# Altium PCB etna-main-pcb.PcbDoc
Units mm, origin at the board's own origin, x right, y up, seen from the top; angles counter-clockwise.
Board outline 76 x 36 mm, 4 copper layers (Top, Ground, Power, Bottom), stack 0.78 mm thick; 105 components, 65 nets, 368 pads, 413 vias.
Unrouted connection lines stored in the file: 58.
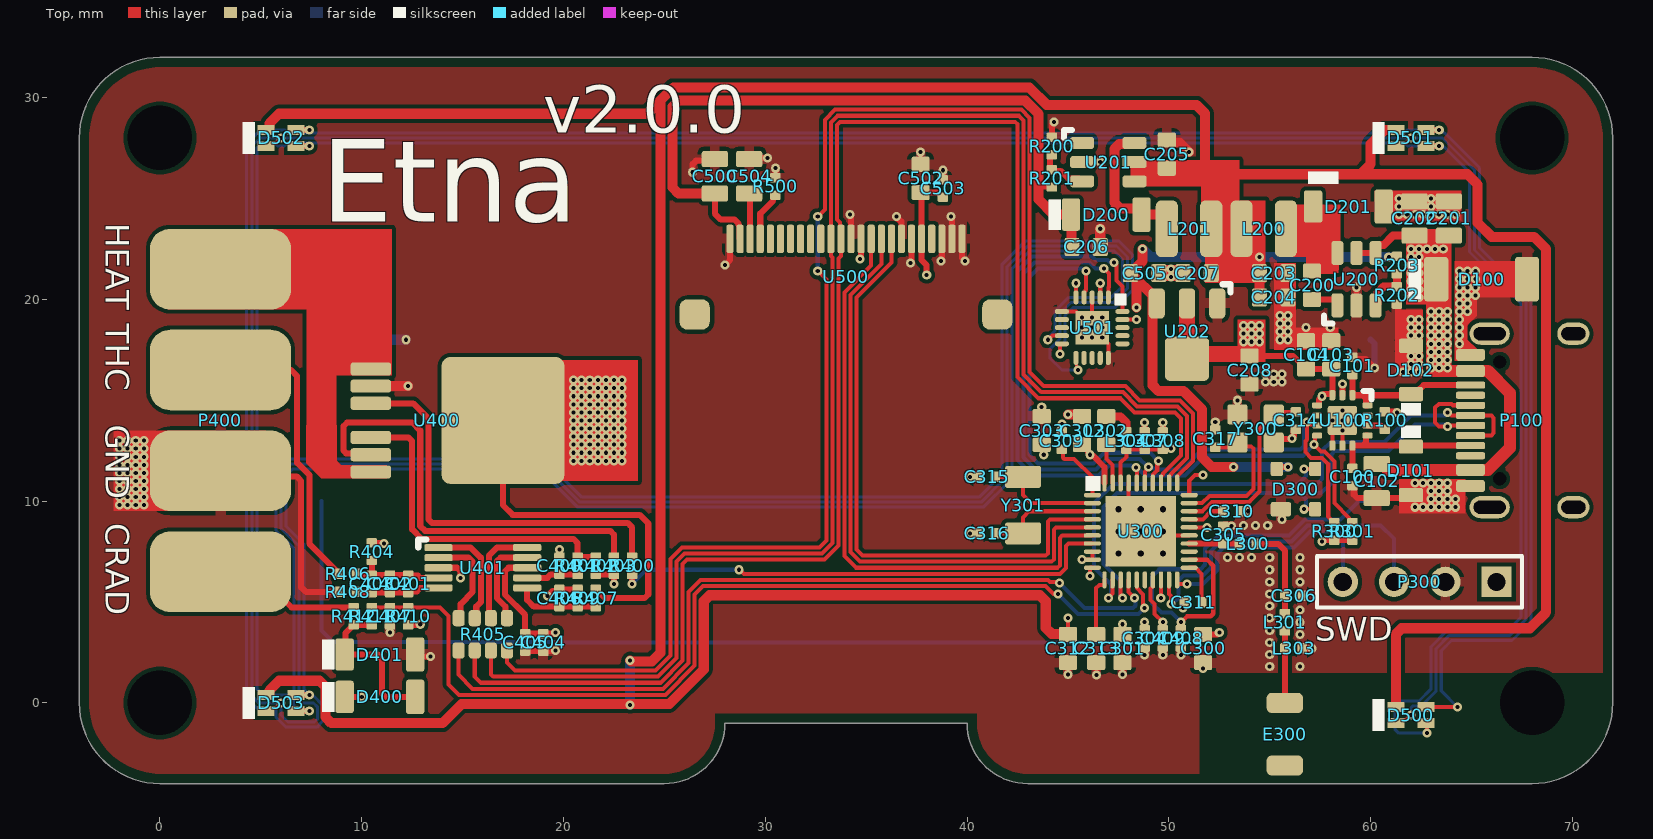
[diagram p0: Top view]
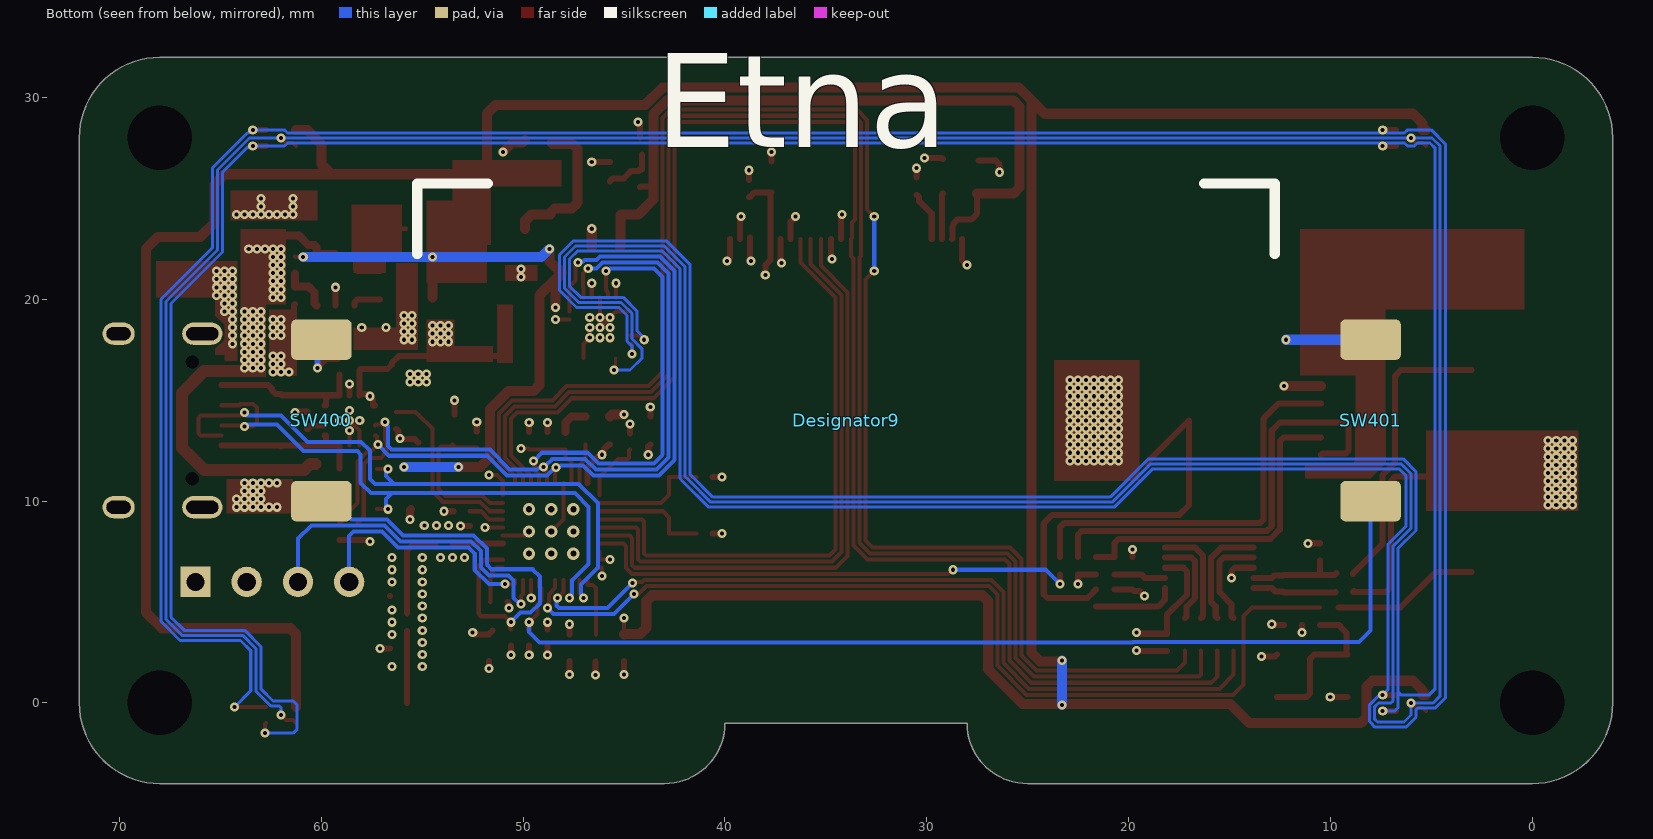
[diagram p1: Bottom view, seen from below]
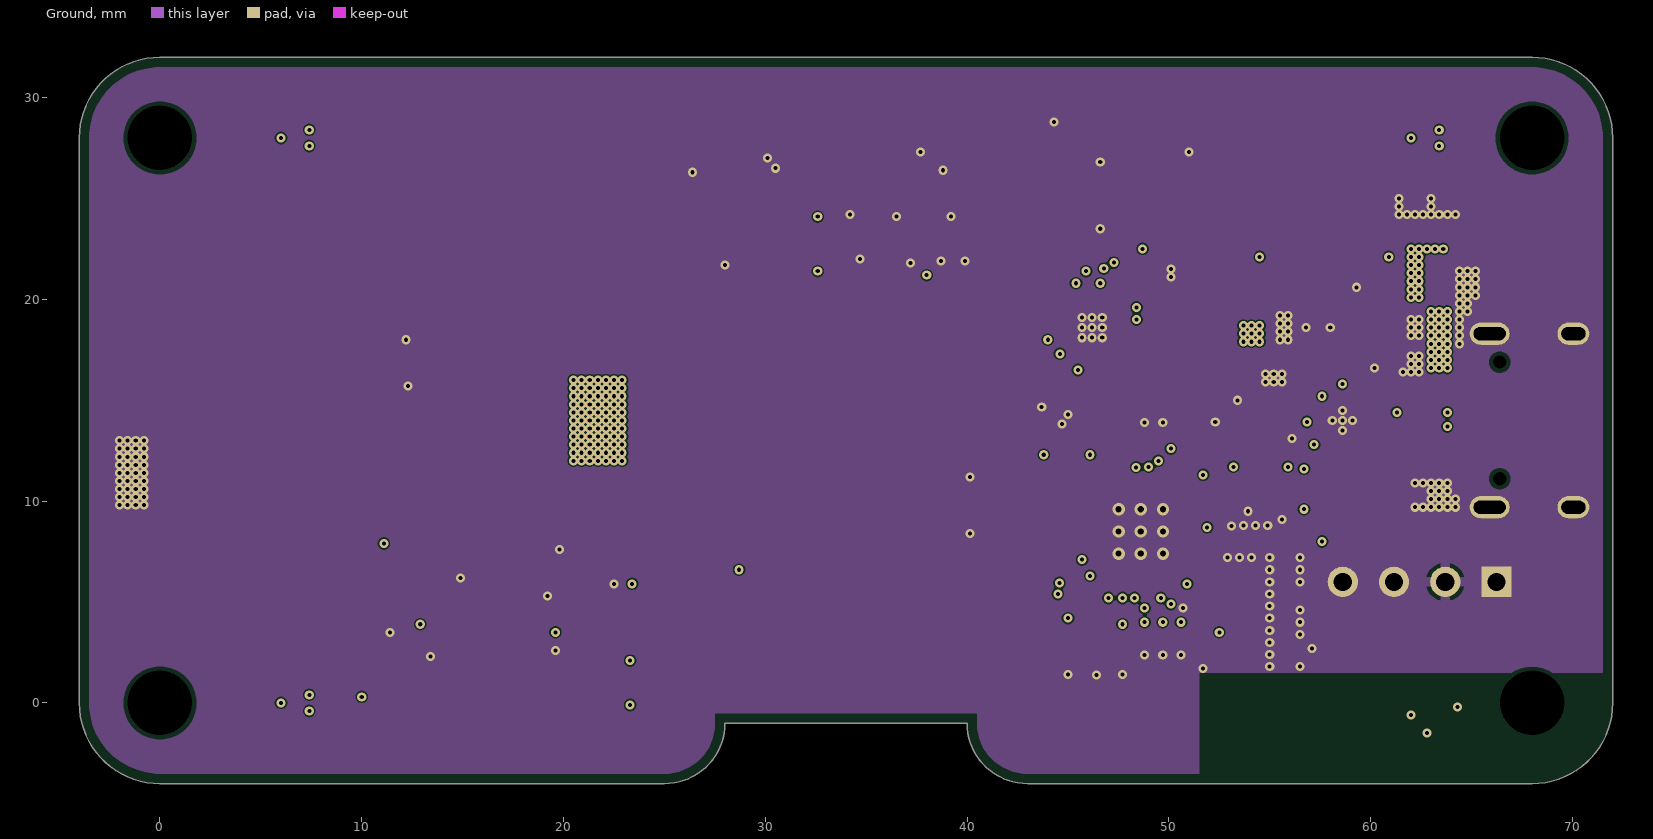
[diagram p2: Ground]
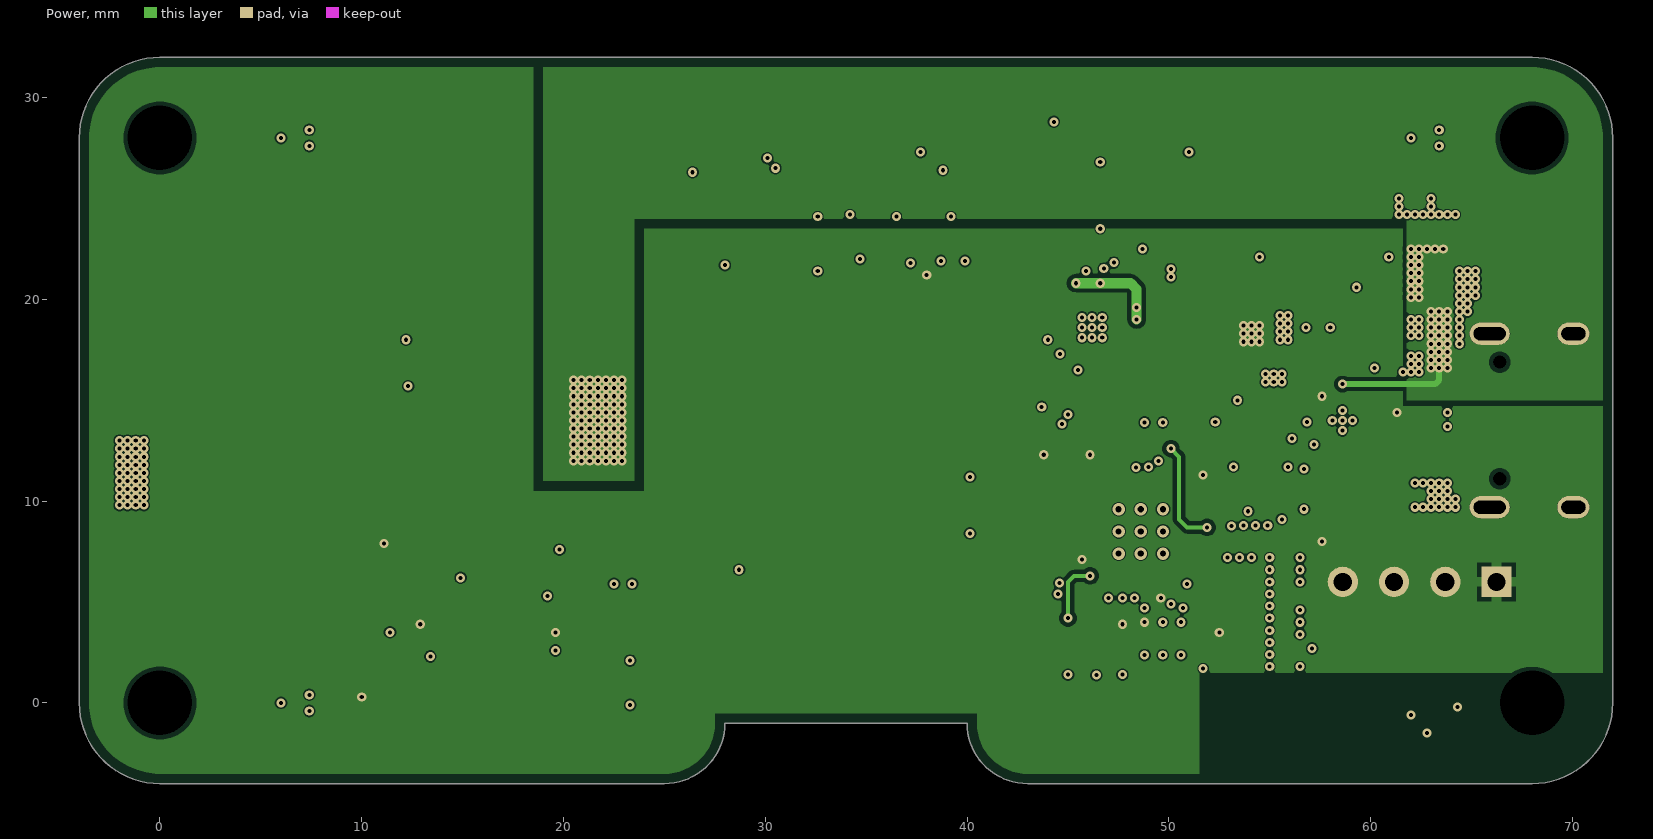
[diagram p3: Power]
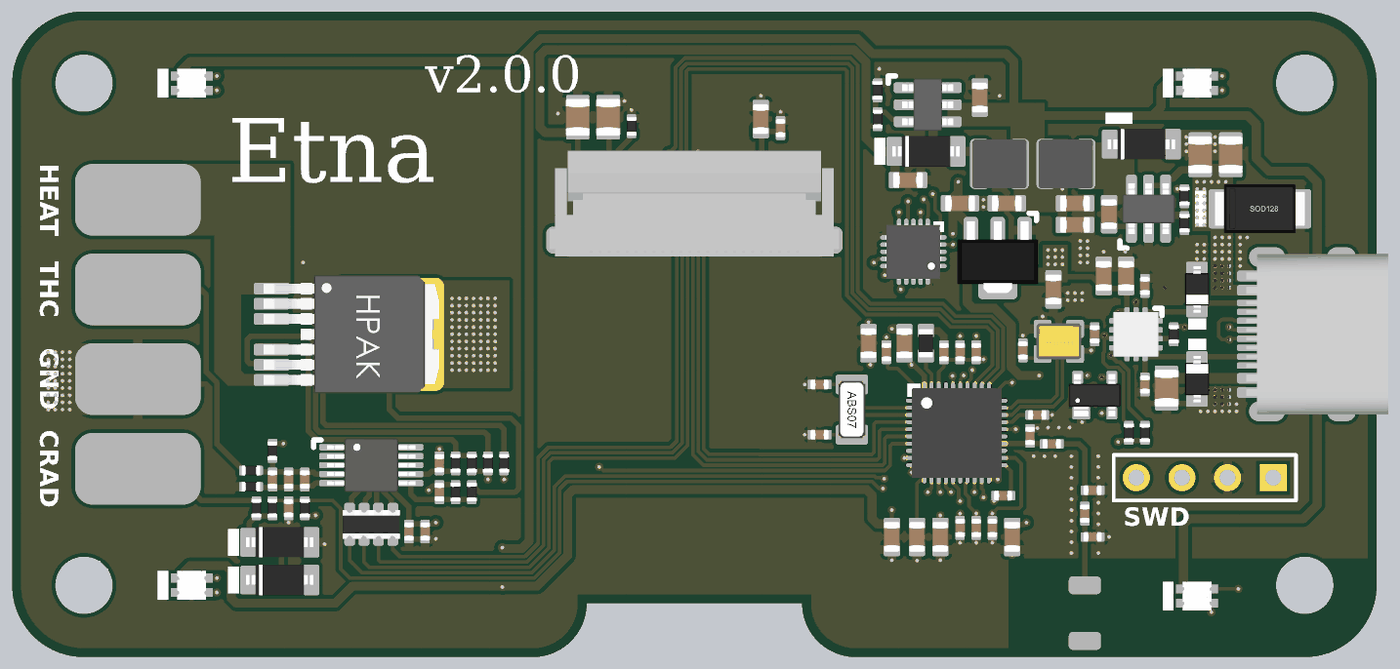
[diagram p4: 3D render of the assembled board from above, using the file's embedded part models]

## Layer stack, top to bottom
Top Solder: solder mask 0.01, Solder Resist, Dk 3.5
Top: signal copper 0.035
Dielectric 1: prepreg 0.07, PP-006, Dk 4.1
Ground: signal copper 0.035
Dielectric2: prepreg 0.5, FR-4, Dk 4.8
Power: signal copper 0.035
Dielectric 2: prepreg 0.07, PP-006, Dk 4.1
Bottom: signal copper 0.035
Bottom Solder: solder mask 0.01, Solder Resist, Dk 3.5

## Board outline
-4,0 ccw(c0,0) 0,-4 25,-4 ccw(c25,-1) 28,-1 40,-1 ccw(c43,-1) 43,-4 68,-4 ccw(c68,0) 72,0 72,28 ccw(c68,28) 68,32 0,32 ccw(c0,28) -4,28

## Design rules (kind name [scope] priority, off if disabled: settings)
Clearance Clearance_1 [InPolygon] p1: gap=0.2 ignorepadtopadclearanceinfootprint=FALSE except(0: Arc-Hole Track-Hole SMDPad-Hole THPad-Hole Via-Hole Fill-Hole Poly-Hole Region-Hole Text-Hole)
Clearance [All] p2: gap=0.1 ignorepadtopadclearanceinfootprint=FALSE
ComponentClearance [All] p1: gap=0 collisioncheckmode=3 verticalgap=0 showdistances=FALSE
DiffPairsRouting [All] p1: maxlimit=0.254 minlimit=0.2 mostfreqgap=0.254 toplayer_minwidth=0.2 toplayer_maxwidth=0.381 toplayer_prefwidth=0.381 midlayer1_minwidth=0.2 midlayer1_maxwidth=0.381 midlayer1_prefwidth=0.381 midlayer2_minwidth=0.2 midlayer2_maxwidth=0.381 midlayer2_prefwidth=0.381 bottomlayer_minwidth=0.2 bottomlayer_maxwidth=0.381 bottomlayer_prefwidth=0.381 maxuncoupledlength=12.7
HoleSize [All] p1: absolutevalues=TRUE maxlimit=10 minlimit=0.1 maxpercent=80.000 minpercent=20.000
HoleToHoleClearance [All] p1: gap=0.1 allowstackedmicrovias=TRUE
MinimumAnnularRing [All] p1: minimumring=0
MinimumSolderMaskSliver [All] p1: minsoldermaskwidth=0.05
PolygonConnect PolygonConnect_via [IsVia] p1: connectstyle=Direct reliefconductorwidth=0.254 reliefentries=4 polygonreliefangle="90 Angle" airgapwidth=0.254
PolygonConnect [All] p2: connectstyle=Relief reliefconductorwidth=0.5 reliefentries=4 polygonreliefangle="90 Angle" airgapwidth=0.2
RoutingVias [All] p1: holewidth=0.2 width=0.4 viastyle="Through Hole" minholewidth=0.2 minwidth=0.4 maxholewidth=2 maxwidth=5
SilkToSilkClearance [All] p1: silktosilkclearance=0
SilkToSolderMaskClearance SilkscreenOverComponentPads [IsPad] p1: minsilkscreentomaskgap=0 clearancetoexposedcopper=TRUE
SolderMaskExpansion [All] p1: expansion=0 istentingtop=FALSE
Width [All] p1: maxlimit=100 minlimit=0.15 preferedwidth=0.15
23 further rules are at their usual default settings.

## Classes and differential pairs
component class etna-main-usb: C100 C101 C102 C103 C104 D100 D101 D102 P100 R100 U100
component class etna-main-ui: C408 C409 C500 C502 C503 C504 C505 D500 D501 D502 D503 R500 SW400 SW401 U500 U501
component class etna-main-pmic: C200 C201 C202 C203 C204 C205 C206 C207 C208 D200 D201 L200 L201 R200 R201 R202 R203 U200 U201 U202
component class etna-main-mcu: C300 C301 C302 C303 C304 C305 C306 C307 C308 C309 C310 C311 C312 C313 C314 C315 C316 C317 D300 E300 L300 L301 L302 L303 L304 P300 R300 R301 U300 Y300 Y301
component class etna-main-driver: C400 C401 C402 C403 C404 C405 C406 C407 D400 D401 P400 R400 R401 R402 R403 R404 R405 R406 R407 R408 R409 R410 R411 R412 U400 U401
differential pair USB_DATA: +USB_DATA_P -USB_DATA_N

## Components (designator, comment, footprint, x,y, rotation, side; value= is the part's Value field where it differs from the comment)
C100 "" C0402L 59.1,11.2 r270 top value=200pF
C101 "" C0402L 59.1,16.7 r90 top value=200pF
C102 "100n" C0805L 60.3,11 r270 top value=10uF
C103 "100n" C0603L 58.05,17.25 r90 top value=10uF
C104 "100n" C0603L 56.8,17.25 r90 top value=1uF
C200 "100n" C0603L 57.1,20.7 r270 top value=100nF
C201 "100n" C0805L 63.875,24.009 r90 top value=2.2uF
C202 "100n" C0805L 62.175,24.009 r90 top value=2.2uF
C203 "100n" C0603L 55.2,21.3 r0 top value=10uF
C204 "100n" C0603L 55.2,20.1 r0 top value=10uF
C205 "100n" C0603L 49.9,27.2 r90 top value=2.2uF
C206 "100n" C0603L 45.9,22.6 r0 top value=2.2uF
C207 "100n" C0603L 51.4,21.3 r180 top value=10uF
C208 "100n" C0603L 54,16.5 r270 top value=10uF
C300 "" C0603L 51.7,2.7 r270 top value=4.7uF
C301 "" C0603L 47.7,2.7 r270 top value=4.7uF
C302 "" C0603L 45.7,13.5 r90 top value=4.7uF
C303 "" C0603L 43.7,13.5 r90 top value=1uF
C304 "" C0402L 48.8,3.2 r270 top value=100nF
C305 "" C0402L 52.7,8.33 r90 top value=1.0pF
C306 "" C0402L 56.18,5.3 r0 top value=1.5pF
C307 "" C0402L 48.8,13 r90 top value=1uF
C308 "" C0402L 49.7,13 r90 top value=47nF
C309 "" C0402L 44.7,13 r90 top value=100nF
C310 "" C0402L 53.1,9.5 r0 top value=100pF
C311 "" C0402L 51.2,5 r180 top value=820pF
C312 "" C0603L 45,2.7 r270 top value=4.7uF
C313 "" C0603L 46.4,2.7 r270 top value=4.7uF
C314 "" C0402L 56.3,14 r90 top value=18pF
C315 "" C0402L 40.975,11.2 r0 top value=18pF
C316 "" C0402L 40.975,8.4 r0 top value=18pF
C317 "" C0402L 52.3,13.1 r270 top value=18pF
C400 "" C0402L 19.8,6.8 r90 top value=100nF
C401 "" C0402L 12.3,5.9 r270 top value=100p
C402 "" C0402L 11.4,5.9 r270 top value=100nF
C403 "" C0402L 10.5,5.9 r270 top value=1uF
C404 "" C0402L 19,3 r270 top value=100nF
C405 "" C0402L 18.1,3 r270 top value=100nF
C406 "" C0402L 19.8,5.2 r90 top value=100nF
C407 "" C0402L 11.4,4.3 r270 top value=100nF
C408 "" C0402L 50.6,3.2 r270 top value=100nF
C409 "" C0402L 49.7,3.2 r270 top value=100nF
C500 "" C0805L 27.5,26.1 r90 top value=4.7uF
C502 "" C0603L 37.7,26 r90 top value=4.7uF
C503 "" C0402L 38.8,25.5 r90 top value=100nF
C504 "" C0805L 29.2,26.1 r90 top value=4.7uF
C505 "" C0603L 48.8,21.3 r0 top value=1uF
D100 "DIODE_ZEN" SOD-128 65.5,21 r180 top value=PTVS26VS1UR
D101 "DIODE_TVS" SOD-323 62,11.5 r90 top value=MM3Z5V1T1G
D102 "DIODE_TVS" SOD-323 62,16.5 r270 top value=MM3Z5V1T1G
D200 "DIODE" SOD-123 46.9,24.2 r180 top value=1N5819HW-7-F
D201 "DIODE" SOD-123 58.9,24.6 r180 top value=1N5819HW-7-F
D300 "PRTR5V0U2X" SOT-143B 56.3,10.6 r0 top
D400 "DIODE" SOD-123 10.9,0.3 r180 top value=1N5819HW-7-F
D401 "DIODE" SOD-123 10.9,2.4 r180 top value=1N5819HW-7-F
D500 "19-237/R6GHBHC-A01/2T" 19-237/R6GHBHC-A01/2T 62,-0.6 r180 top
D501 "19-237/R6GHBHC-A01/2T" 19-237/R6GHBHC-A01/2T 62,28 r180 top
D502 "19-237/R6GHBHC-A01/2T" 19-237/R6GHBHC-A01/2T 6,28 r180 top
D503 "19-237/R6GHBHC-A01/2T" 19-237/R6GHBHC-A01/2T 6,0 r180 top
Designator9 "Comment" ER-OLED015-2W 34,14 r180 bottom locked
E300 "ANTENNA" E0805L 55.75,-1.6 r270 top
L200 "INDUCTOR" IND_3015 54.7,23.5 r270 top value=6.8uH
L201 "INDUCTOR" IND_3015 51,23.5 r270 top value=10uH
L300 "INDUCTOR" L0402L 53.908,7.887 r0 top value=4.7nH
L301 "INDUCTOR" L0402L 55.75,4 r270 top value=5.1nH
L302 "INDUCTOR" L0603L 46.9,13.5 r270 top value=10uH
L303 "INDUCTOR" L0402L 56.18,2.7 r0 top value=DNP
L304 "INDUCTOR" L0402L 47.9,13 r90 top value=15nH
P100 "TYPE-C-31-M-12" TYPE-C-31-M-12 69,14 r90 top locked value=CONNECTOR
P300 "H4" HDR1X4 66.24,6 r180 top value=SWD
P400 "H4" LPADS-4-2X3 3,14 r270 top value=CONNECTOR
R100 "" R0402L 60.7,14 r270 top value=0R
R200 "" R0402L 44.2,27.6 r90 top value=10k
R201 "" R0402L 44.2,26 r270 top value=10k
R202 "" R0402L 61.3,20.2 r270 top value=10k
R203 "" R0402L 61.3,21.7 r270 top value=33k
R300 "" R0402L 58.2,8.5 r90 top value=2.2K
R301 "" R0402L 59.1,8.5 r90 top value=2.2K
R400 "RESISTOR" R0402L 23.4,6.8 r270 top value=10k
R401 "RESISTOR" R0402L 20.7,6.8 r270 top value=10k
R402 "RESISTOR" R0402L 21.6,6.8 r90 top value=10k
R403 "RESISTOR" R0402L 22.5,6.8 r90 top value=10k
R404 "RESISTOR" R0402L 10.5,7.5 r90 top value=4.7M
R405 "RESISTOR_4" TC164 16,3.4 r90 top value=TC164-FR-0768RL
R406 "RESISTOR" R0402L 9.3,6.4 r0 top value=0R
R407 "RESISTOR" R0402L 21.6,5.2 r270 top value=91k
R408 "RESISTOR" R0402L 9.3,5.5 r0 top value=0R
R409 "RESISTOR" R0402L 20.7,5.2 r270 top value=10k
R410 "RESISTOR" R0402L 12.3,4.3 r90 top value=91k
R411 "RESISTOR" R0402L 10.5,4.3 r90 top value=10k
R412 "RESISTOR" R0402L 9.6,4.3 r270 top value=10R
R500 "" R0402L 30.5,25.6 r90 top value=910k
SW400 "TLS A 040J LFS" "TLS A 040J LFS" 60,14 r90 bottom
SW401 "TLS A 040J LFS" "TLS A 040J LFS" 8,14 r90 bottom locked
U100 "FUSB302B" QFN-14-0.50 58.6,14 r270 top
U200 "ME3116AM6G" SOT-236 59.3,21 r90 top
U201 "AP3012KTR-G1" SOT-236 47,26.8 r0 top
U202 "SC1117-X.XV" SOT-89 50.9,18.05 r180 top
U300 "NRF52833-QDAA" QFN-40-0.4 48.611,8.5 r0 top locked
U400 "VN5E010AH" HPAK6 17,14 r270 top
U401 "ADS1118" VSSOP-10 16,6.7 r0 top
U500 "ER-OLED015-2" XF2M-2415-1A-R 34,23 r0 top locked
U501 "AW9109" QFN-20-0.4 46.2,18.6 r270 top value=AW9106
Y300 "XTAL_4P" XTAL_2520 54.3,13.6 r180 top value=7E32000E12UCG
Y301 "XTAL_2P" XTAL_3215 42.775,9.8 r270 top value=XTAL

## Footprints (in the part's own frame and the unit in brackets; to place one, negate y for a bottom-side part, rotate by r counter-clockwise, add the part's x,y. Pads: shape width x height; smd on the part's side, far side on the other; paste and mask are expansions set on the pad)
19-237/R6GHBHC-A01/2T [mm]
  rect 0.85x0.5 smd mask+0: 1(-0.75,-0.4) 2(-0.75,0.4) 3(0.75,0.4) 4(0.75,-0.4)
  silkscreen extent 1.3,-0.8 1.9,0.8, body extent -0.8,-0.8 0.8,0.8, height 0.35
C0402L [mm]
  rrect25% 0.47x0.52 smd paste+0 mask+0: 1(-0.43,0) 2(0.43,0)
  body extent -0.52,-0.27 0.53,0.28, height 0.55
C0603L [mm]
  rrect25% 0.75x0.9 smd paste+0 mask+0: 1(-0.7,0)
  rrect25% 0.75x0.9 smd mask+0: 2(0.7,0)
  body extent -0.85,-0.45 0.85,0.45, height 0.9
C0805L [mm] "Chip Resistor, Body 2.0x1.2mm, IPC Medium Density"
  rrect25% 0.8x1.3 smd paste+0 mask+0: 1(-0.85,0) 2(0.85,0)
  body extent -1.05,-0.67 1.05,0.68, height 0.95
E0805L [mm] "Mini 2.45 GHz Antenna"
  rrect50% 1x1.8 smd paste+0 mask+0: 1(-1.6,0) 2(1.5,0)
  body extent -1.6,-0.8 1.6,0.8, height 0.5
ER-OLED015-2W [mm]
  silkscreen extent -21.25,8.25 21.25,11.75, body extent -21,-15.5 21,11.5, height 1.45
HDR1X4 [mm] "Connector; Header; 4 Position"
  rect 1.5x1.5 hole 0.9: 1(0,0)
  round 1.5 hole 0.9: 2(2.54,0) 3(5.08,0) 4(7.62,0)
  silkscreen extent -1.27,-1.27 8.89,1.27
HPAK6 [mm]
  rrect40% 0.65x2 smd mask+0: 1(-2.55,-6.55) 2(-1.7,-6.55) 3(-0.85,-6.55) 5(0.85,-6.55) 6(1.7,-6.55) 7(2.55,-6.55)
  rrect15% 6.3x6.1 smd paste-50 mask+0: 4(0,0)
  body extent -3.3,-7 3.3,2.8, height 2.4
IND_3015 [mm] "SRN3015 Series - Semi-shielded Power Inductors"
  rrect50% 2.8x1.1 smd mask+0: 1(0,1.1) 2(0,-1.1)
  body extent -1.36,-1.51 1.36,1.51, height 1.5
L0402L [mm]
  rrect25% 0.47x0.52 smd paste+0 mask+0: 1(-0.43,0) 2(0.43,0)
  body extent -0.52,-0.27 0.53,0.28, height 0.55
L0603L [mm]
  rrect25% 0.75x0.9 smd paste+0 mask+0: 1(-0.7,0)
  rrect25% 0.75x0.9 smd mask+0: 2(0.7,0)
  body extent -0.8,-0.4 0.8,0.4, height 0.45
LPADS-4-2X3 [mm]
  rrect50% 4x7 smd paste+0 mask+0: 1(-7.5,0) 2(-2.5,0) 3(2.5,0) 4(7.5,0)
QFN-14-0.50 [mm]
  rrect50% 0.5x0.3 smd paste+0 mask+0: 1(-1.25,0.5) 2(-1.25,0) 3(-1.25,-0.5) 8(1.25,-0.5) 9(1.25,0) 10(1.25,0.5)
  rrect50% 0.3x0.5 smd paste+0 mask+0: 4(-0.75,-1.25) 5(-0.25,-1.25) 6(0.25,-1.25) 7(0.75,-1.25) 11(0.75,1.25) 12(0.25,1.25) 13(-0.25,1.25) 14(-0.75,1.25)
  rrect15% 1.45x1.45 smd paste+0 mask+0: 15(0,0)
  silkscreen extent -1.45,1.05 -1.05,1.45, body extent -1.24,-1.24 1.25,1.25, height 0.51
QFN-20-0.4 [mm]
  oval 0.7x0.25 smd paste+0 mask+0: 1(-1.5,0.8) 2(-1.5,0.4) 3(-1.5,0) 4(-1.5,-0.4) 5(-1.5,-0.8) 11(1.5,-0.8) 12(1.5,-0.4) 13(1.5,0) 14(1.5,0.4) 15(1.5,0.8)
  oval 0.25x0.7 smd paste+0 mask+0: 6(-0.8,-1.5) 7(-0.4,-1.5) 8(0,-1.5) 9(0.4,-1.5) 10(0.8,-1.5) 16(0.8,1.5) 17(0.4,1.5) 18(0,1.5) 19(-0.4,1.5) 20(-0.8,1.5)
  rect 1.65x1.65 smd mask+0: 21(0,0)
  silkscreen extent -1.7,1.1 -1.1,1.7, body extent -1.55,-1.55 1.55,1.55, height 0.6
QFN-40-0.4 [mm]
  oval 0.85x0.22 smd mask+0.04: 1(-2.4,1.8) 2(-2.4,1.4) 3(-2.4,1) 4(-2.4,0.6) 5(-2.4,0.2) 6(-2.4,-0.2) 7(-2.4,-0.6) 8(-2.4,-1) 9(-2.4,-1.4) 10(-2.4,-1.8) 21(2.4,-1.8) 22(2.4,-1.4) 23(2.4,-1) 24(2.4,-0.6) 25(2.4,-0.2) 26(2.4,0.2) 27(2.4,0.6) 28(2.4,1) 29(2.4,1.4) 30(2.4,1.8)
  oval 0.22x0.85 smd mask+0.04: 11(-1.8,-2.4) 12(-1.4,-2.4) 13(-1,-2.4) 14(-0.6,-2.4) 15(-0.2,-2.4) 16(0.2,-2.4) 17(0.6,-2.4) 18(1,-2.4) 19(1.4,-2.4) 20(1.8,-2.4) 31(1.8,2.4) 32(1.4,2.4) 33(1,2.4) 34(0.6,2.4) 35(0.2,2.4) 36(-0.2,2.4) 37(-0.6,2.4) 38(-1,2.4) 39(-1.4,2.4) 40(-1.8,2.4)
  rect 3.5x3.5 smd mask+0.04: 41(0,0)
  silkscreen extent -2.75,2 -2,2.75, body extent -2.5,-2.5 2.5,2.5, height 0.5
R0402L [mm] "Resistor IPC Least 0402"
  rrect25% 0.47x0.52 smd paste+0 mask+0: 1(-0.43,0) 2(0.43,0)
  body extent -0.52,-0.27 0.53,0.28, height 0.4
SOD-123 [mm] "SOD-123"
  rrect25% 0.9x1.7 smd paste+0 mask+0: 1(-1.75,0)
  rrect25% 0.91x1.6 smd paste+0 mask+0: 2(1.75,0)
  silkscreen extent 2.25,-0.75 2.87,0.75, body extent -1.87,-0.85 1.87,0.85, height 1.2
SOD-128 [mm] "SOD-123"
  rrect25% 1.2x2.2 smd paste+0 mask+0: 1(-2.25,0) 2(2.25,0)
  silkscreen extent 3,-1 3.62,1, body extent -2.5,-1.35 2.5,1.35, height 1.1
SOD-323 [mm] "SOD-323"
  rrect25% 0.7x1.2 smd paste+0 mask+0: 1(-1.2,0) 2(1.2,0)
  silkscreen extent 1.63,-0.5 2.25,0.5, body extent -1.3,-0.67 1.3,0.68, height 1.1
SOT-89 [mm]
  rrect50% 0.8x1.5 smd mask+0: 1(-1.5,-1.75) 2(0,-1.75) 3(1.5,-1.75)
  rrect25% 2.2x2.2 smd mask+0: 2(0,1)
  Top region: -0.4,-1.7 0.4,-1.7 0.4,1.2 -0.4,1.2
  silkscreen extent -2.15,-2.7 -1.75,-2.3, body extent -2.25,-2.25 2.25,1.75, height 1.5
SOT-143B [mm]
  rrect25% 1x0.7 smd paste+0 mask+0: 1(-0.75,-1)
  rrect25% 0.6x0.7 smd paste+0 mask+0: 2(0.95,-1) 3(0.95,1) 4(-0.95,1)
  body extent -1.45,-1.18 1.45,1.18, height 1.22
SOT-236 [mm]
  rrect50% 1.2x0.6 smd mask+0: 1(-1.3,0.95) 2(-1.3,0) 3(-1.3,-0.95) 4(1.3,-0.95) 5(1.3,0) 6(1.3,0.95)
  silkscreen extent -2.2,1.2 -1.8,1.6, body extent -1.42,-1.46 1.42,1.46, height 1.1
TC164 [mm]
  rrect50% 0.8x0.6 smd paste+0 mask+0: 1(-0.8,1.2) 2(-0.8,0.4) 3(-0.8,-0.4) 4(-0.8,-1.2) 5(0.8,-1.2) 6(0.8,-0.4) 7(0.8,0.4) 8(0.8,1.2)
  body extent -0.8,-1.6 0.8,1.6, height 0.55
"TLS A 040J LFS" [mm]
  rrect25% 2x3 smd mask+0: 1(-4,0) 2(4,0)
  body extent -4.29,-4.2 4.29,4.2, height 3.95
TYPE-C-31-M-12 [mm] "USB Connectors USB Type C"
  rrect50% 0.6x1.45 smd paste+0 mask+0: A1(-3.25,4.05) A4(-2.45,4.05) A9(2.45,4.05) A12(3.25,4.05)
  rrect50% 0.35x1.45 smd paste+0 mask+0: A5(-1.25,4.05) A6(-0.25,4.05) A7(0.25,4.05) A8(1.25,4.05) B5(1.75,4.05) B6(0.75,4.05) B7(-0.75,4.05) B8(-1.75,4.05)
  oval 1.1x1.6 hole 0.65 slot 1.2 at 90 deg paste+0 mask+0: ""(-4.3,-1.05) ""(4.3,-1.05)
  oval 1.1x2 hole 0.65 slot 1.6 at 90 deg paste+3 mask+0: ""(-4.3,3.1)
  rect 0x0 hole 0.65 unplated paste+0 mask+0: ""(-2.89,2.6) ""(2.89,2.6)
  oval 1.1x2 hole 0.65 slot 1.6 at 90 deg paste+2 mask+0: ""(4.3,3.1)
  body extent -4.47,-3.65 4.47,4.25, height 3.21
VSSOP-10 [mm]
  rrect50% 1.4x0.35 smd mask+0: 1(-2.2,1) 2(-2.2,0.5) 3(-2.2,0) 4(-2.2,-0.5) 5(-2.2,-1) 6(2.2,-1) 7(2.2,-0.5) 8(2.2,0) 9(2.2,0.5) 10(2.2,1)
  silkscreen extent -3.2,1 -2.8,1.4, body extent -2.46,-1.5 2.46,1.5, height 1.1
XF2M-2415-1A-R [mm] "CONN FPC 24POS 0.50MM R/A"
  rrect50% 0.35x1.4 smd paste+0 mask+0: 1(5.75,0) 2(5.25,0) 3(4.75,0) 4(4.25,0) 5(3.75,0) 6(3.25,0) 7(2.75,0) 8(2.25,0) 9(1.75,0) 10(1.25,0) 11(0.75,0) 12(0.25,0) 13(-0.25,0) 14(-0.75,0) 15(-1.25,0) 16(-1.75,0) 17(-2.25,0) 18(-2.75,0) 19(-3.25,0) 20(-3.75,0) 21(-4.25,0) 22(-4.75,0) 23(-5.25,0) 24(-5.75,0)
  rrect50% 1.5x1.5 smd paste+0 mask+0: ""(-7.5,-3.75) ""(7.5,-3.75)
  body extent -8.05,-4.65 8.05,1.25, height 2
XTAL_2520 [mm]
  rrect25% 1x1 smd paste+0 mask+0: 1(-0.9,-0.7) 2(0.9,-0.7) 3(0.9,0.7) 4(-0.9,0.7)